# Altium PCB smart-ring-main.PcbDoc (part 5 of 6) (continued)
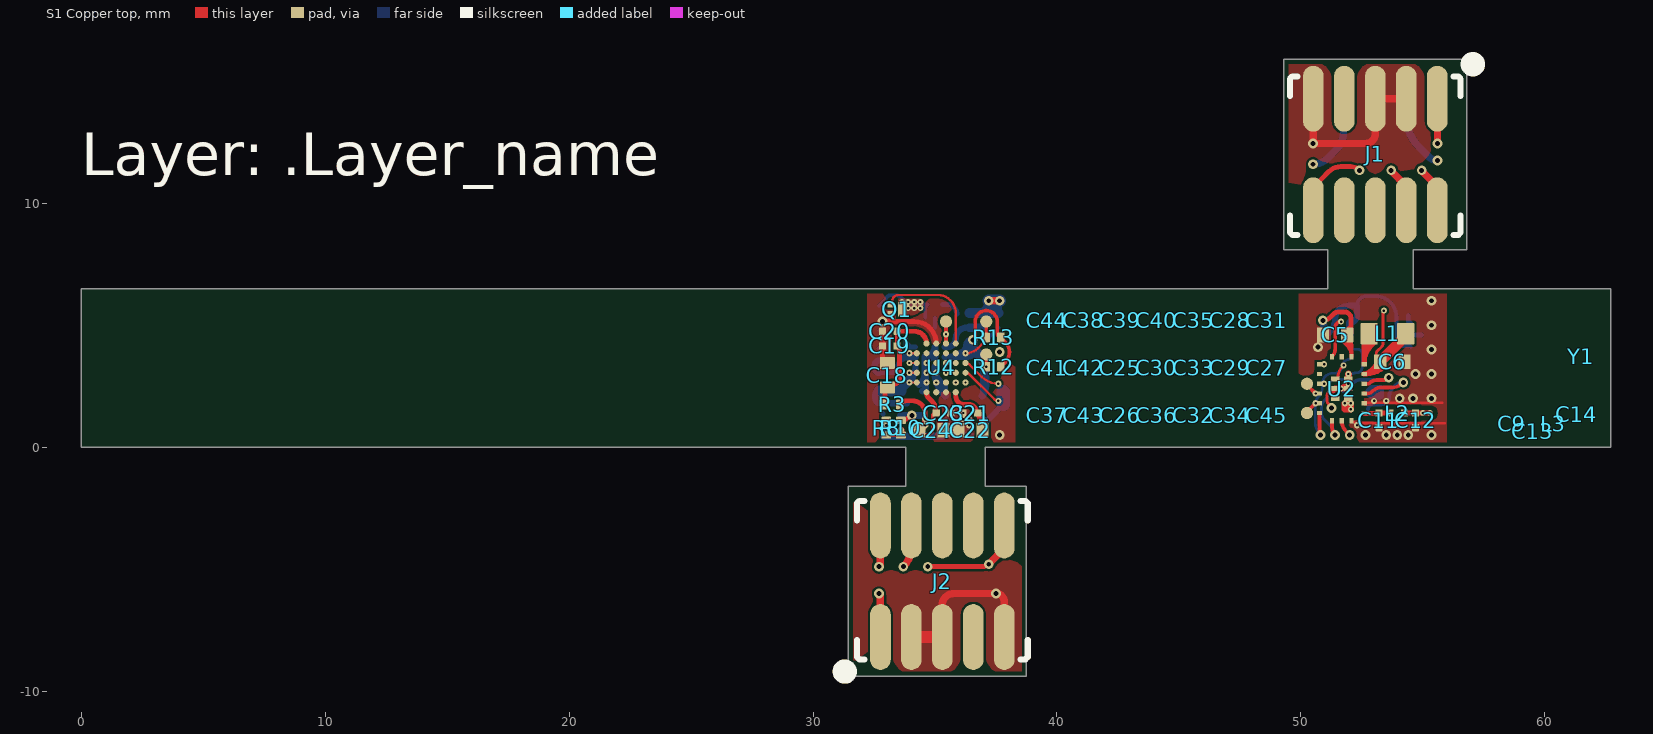
[diagram p0: S1 Copper top view]
## Nets (pads, with @x,y where several pads share a name; then routed paths per layer and width w, separated by ;. In a path a pad name is that pad's centre, name@x,y a point inside that pad or via, vN(x,y) a via of type N, cw(c..) or ccw(c..) an arc to the next point about the centre after c; other vN are vias at no path point) (continued)
  S3 Flex copper inner 1 w0.1: 38.7,1.3 38.9,1.5 ; 38.7,6.1 38.9,5.9 ; 38.756,5.644 38.7,5.7 ; 38.8,5.2 38.7,5.3 ; 39.75,1.45 39.7,1.5 ; 39.8,2.6 39.7,2.7 ; 49.5,1.3 49.3,1.5 ; 49.5,6.1 49.3,5.9 ; 38.7,5.3 38.8,5.2 38.9,5.1 ; 38.7,5.3 38.9,5.5 ; 38.7,5.7 38.9,5.5 ; 38.7,5.7 38.9,5.5 ; 38.7,5.7 38.9,5.9 ; 38.9,1.5 38.7,1.7 38.9,1.9 ; 38.9,1.5 39.1,1.7 ; 38.9,1.5 39.1,1.3 39.3,1.5 ; 38.9,1.9 39.1,1.7 ; 38.9,1.9 38.7,2.1 38.9,2.3 ; 38.9,1.9 39.1,2.1 ; 38.9,2.3 39.1,2.1 ; 38.9,2.3 38.7,2.5 38.9,2.7 ; 38.9,2.3 39.1,2.5 ; 38.9,2.7 39.1,2.5 ; 38.9,2.7 38.7,2.9 38.9,3.1 ; 38.9,2.7 39.1,2.9 ; 38.9,3.1 39.1,2.9 ; 38.9,3.1 38.7,3.3 38.9,3.5 ; 38.9,3.1 39.1,3.3 ; 38.9,3.5 39.1,3.7 ; 38.9,3.5 39.1,3.3 ; 38.9,3.5 38.7,3.7 38.9,3.9 ; 38.9,3.9 39.1,4.1 ; 38.9,3.9 39.1,3.7 ; 38.9,3.9 38.7,4.1 38.9,4.3 ; 38.9,4.3 39.1,4.1 ; 38.9,4.3 39.1,4.5 ; 38.9,4.3 38.7,4.5 38.9,4.7 ; 38.9,4.7 39.1,4.5 ; 38.9,4.7 39.1,4.9 ; 38.9,4.7 38.7,4.9 38.9,5.1 ; 38.9,5.1 39.1,5.3 ; 38.9,5.1 39.1,4.9 ; 38.9,5.5 39.1,5.3 ; 38.9,5.5 39.1,5.7 ; 38.9,5.5 39.1,5.3 ; 38.9,5.9 39.1,6.1 39.3,5.9 ; 38.9,5.9 39.1,5.7 ; 39.1,1.7 39.3,1.9 ; 39.1,1.7 39.3,1.5 ; 39.1,2.1 39.3,1.9 ; 39.1,2.1 39.3,2.3 ; 39.1,2.5 39.3,2.3 ; 39.1,2.5 39.3,2.7 ; 39.1,2.9 39.3,2.7 ; 39.1,2.9 39.3,3.1 ; 39.1,3.3 39.3,3.1 ; 39.1,3.3 39.3,3.5 ; 39.1,3.7 39.3,3.9 ; 39.1,3.7 39.3,3.5 ; 39.1,4.1 39.3,4.3 ; 39.1,4.1 39.3,3.9 ; 39.1,4.5 39.3,4.3 ; 39.1,4.5 39.3,4.7 ; 39.1,4.9 39.3,5.1 ; 39.1,4.9 39.3,4.7 ; 39.1,5.3 39.3,5.1 ; 39.1,5.3 39.3,5.5 ; 39.1,5.3 39.3,5.1 ; 39.1,5.7 39.3,5.5 ; 39.1,5.7 39.3,5.9 ; 39.3,1.5 39.5,1.7 ; 39.3,1.5 39.5,1.3 39.7,1.5 ; 39.3,1.9 39.5,2.1 ; 39.3,1.9 39.5,1.7 ; 39.3,2.3 39.5,2.1 ; 39.3,2.3 39.5,2.5 ; 39.3,2.7 39.5,2.5 ; 39.3,2.7 39.5,2.9 ; 39.3,3.1 39.5,2.9 ; 39.3,3.1 39.5,3.3 ; 39.3,3.5 39.5,3.3 ; 39.3,3.5 39.5,3.7 ; 39.3,3.9 39.5,4.1 ; 39.3,3.9 39.5,3.7 ; 39.3,4.3 39.5,4.1 ; 39.3,4.3 39.5,4.5 ; 39.3,4.7 39.5,4.5 ; 39.3,4.7 39.5,4.9 ; 39.3,5.1 39.5,5.3 ; 39.3,5.1 39.5,4.9 ; 39.3,5.1 39.5,4.9 ; 39.3,5.5 39.5,5.3 ; 39.3,5.5 39.5,5.7 ; 39.3,5.9 39.5,5.7 ; 39.3,5.9 39.5,6.1 39.7,5.9 ; 39.5,1.7 39.7,1.9 ; 39.5,1.7 39.7,1.5 ; 39.5,2.1 39.7,2.3 ; 39.5,2.1 39.7,1.9 ; 39.5,2.5 39.7,2.7 ; 39.5,2.5 39.7,2.3 ; 39.5,2.9 39.7,2.7 ; 39.5,2.9 39.7,3.1 ; 39.5,3.3 39.7,3.1 ; 39.5,3.3 39.7,3.5 ; 39.5,3.7 39.7,3.5 ; 39.5,3.7 39.7,3.9 ; 39.5,4.1 39.7,4.3 ; 39.5,4.1 39.7,3.9 ; 39.5,4.5 39.7,4.3 ; 39.5,4.5 39.7,4.7 ; 39.5,4.9 39.7,5.1 ; 39.5,4.9 39.7,4.7 ; 39.5,5.3 39.7,5.5 ; 39.5,5.3 39.7,5.1 ; 39.5,5.7 39.7,5.5 ; 39.5,5.7 39.7,5.9 ; 39.7,1.5 39.9,1.3 40.1,1.5 ; 39.7,1.5 39.9,1.7 ; 39.7,1.9 39.9,2.1 ; 39.7,1.9 39.9,1.7 ; 39.7,2.3 39.9,2.5 ; 39.7,2.3 39.9,2.1 ; 39.7,2.7 39.9,2.5 ; 39.7,2.7 39.9,2.9 ; 39.7,3.1 39.9,3.3 ; 39.7,3.1 39.9,2.9 ; 39.7,3.5 39.9,3.3 ; 39.7,3.5 39.9,3.7 ; 39.7,3.9 39.9,3.7 ; 39.7,3.9 39.9,4.1 ; 39.7,4.3 39.9,4.5 39.7,4.7 ; 39.7,4.3 39.9,4.1 ; 39.7,4.7 39.9,4.9 ; 39.7,5.1 39.9,5.3 ; 39.7,5.1 39.9,4.9 ; 39.7,5.5 39.9,5.7 ; 39.7,5.5 39.9,5.3 ; 39.7,5.9 39.9,5.7 ; 39.7,5.9 39.9,6.1 40.1,5.9 ; 39.9,1.7 40.1,1.9 ; 39.9,1.7 40.1,1.5 ; 39.9,2.1 40.1,2.3 ; 39.9,2.1 40.1,1.9 ; 39.9,2.5 40.1,2.7 ; 39.9,2.5 40.1,2.3 ; 39.9,2.9 40.1,3.1 ; 39.9,2.9 40.1,2.7 ; 39.9,3.3 40.1,3.1 ; 39.9,3.7 40.1,3.9 ; 39.9,4.1 40.1,3.9 ; 39.9,4.9 40.1,5.1 ; 39.9,5.3 40.1,5.1 ; 39.9,5.3 40.1,5.5 ; 39.9,5.7 40.1,5.9 ; 39.9,5.7 40.1,5.5 ; 40.1,1.5 v1@40.3,1.7 ; 40.1,1.5 40.3,1.3 40.5,1.5 ; 40.1,1.9 v1@40.3,2.1 ; 40.1,1.9 40.225,1.775 v1@40.3,1.7 ; 40.1,2.3 v1@40.3,2.5 ; 40.1,2.3 v1@40.3,2.1 ; 40.1,2.7 v1@40.3,2.5 ; 40.1,2.7 40.3,2.9 ; 40.1,3.1 40.3,2.9 ; 40.1,3.9 40.3,4.1 ; 40.1,5.1 40.3,5.3 ; 40.1,5.1 40.3,4.9 40.5,5.1 ; 40.1,5.5 40.3,5.3 ; 40.1,5.5 v1@40.3,5.7 ; 40.1,5.9 40.3,6.1 40.475,5.925 v1@40.5,5.9 ; 40.1,5.9 40.275,5.725 v1@40.3,5.7 ; v1@40.3,1.7 v1@40.5,1.9 ; v1@40.3,1.7 40.5,1.5 ; v1@40.3,2.1 40.425,1.975 v1@40.5,1.9 ; v1@40.3,2.1 40.5,2.3 ; v1@40.3,2.5 40.5,2.7 ; v1@40.3,2.5 40.5,2.3 ; 40.3,2.9 40.5,2.7 ; 40.3,4.1 40.5,3.9 ; 40.3,4.1 40.5,3.9 ; 40.3,5.3 40.5,5.1 ; 40.3,5.3 40.5,5.5 ; v1@40.3,5.7 v1@40.5,5.9 ; v1@40.3,5.7 40.5,5.5 ; 40.5,1.5 40.7,1.7 ; 40.5,1.5 40.7,1.3 40.9,1.5 ; v1@40.5,1.9 40.7,2.1 ; v1@40.5,1.9 40.7,1.7 ; 40.5,2.3 40.7,2.5 ; 40.5,2.3 40.7,2.1 ; 40.5,2.7 40.7,2.5 ; 40.5,3.9 40.7,4.1 ; 40.5,5.1 40.7,5.3 ; 40.5,5.1 40.7,4.9 ; 40.5,5.5 40.7,5.3 ; 40.5,5.5 40.7,5.7 ; v1@40.5,5.9 40.7,5.7 ; v1@40.5,5.9 40.7,6.1 40.9,5.9 ; 40.7,1.7 40.9,1.9 ; 40.7,1.7 40.9,1.5 ; 40.7,2.1 40.9,2.3 ; 40.7,2.1 40.9,1.9 ; 40.7,2.5 40.9,2.7 ; 40.7,2.5 40.9,2.3 ; 40.7,4.1 40.9,4.3 ; 40.7,4.1 40.9,3.9 ; 40.7,4.9 40.9,4.7 ; 40.7,4.9 40.9,5.1 ; 40.7,5.3 40.9,5.5 ; 40.7,5.3 40.9,5.1 ; 40.7,5.7 40.9,5.5 ; 40.7,5.7 40.9,5.9 ; 40.9,1.5 41.1,1.7 ; 40.9,1.5 41.1,1.3 41.3,1.5 ; 40.9,1.9 41.1,2.1 ; 40.9,1.9 41.1,1.7 ; 40.9,2.3 41.1,2.5 ; 40.9,2.3 41.1,2.1 ; 40.9,2.7 41.1,2.9 ; 40.9,2.7 41.1,2.5 ; 40.9,3.9 41.1,4.1 ; 40.9,3.9 41.1,3.7 ; 40.9,4.3 41.1,4.1 ; 40.9,4.3 41.1,4.5 ; 40.9,4.7 41.1,4.5 ; 40.9,4.7 41.1,4.9 ; 40.9,5.1 41.1,5.3 ; 40.9,5.1 41.1,4.9 ; 40.9,5.5 41.1,5.7 ; 40.9,5.5 41.1,5.3 ; 40.9,5.9 41.1,5.7 ; 40.9,5.9 41.1,6.1 41.3,5.9 ; 41.1,1.7 41.3,1.9 ; 41.1,1.7 41.3,1.5 ; 41.1,2.1 41.3,2.3 ; 41.1,2.1 41.3,1.9 ; 41.1,2.5 41.3,2.7 ; 41.1,2.5 41.3,2.3 ; 41.1,2.9 41.3,3.1 ; 41.1,2.9 41.3,2.7 ; 41.1,3.7 41.5,3.3 ; 41.1,3.7 41.3,3.9 41.1,4.1 ; 41.1,4.1 41.3,4.3 41.1,4.5 ; 41.1,4.5 41.3,4.7 ; 41.1,4.9 41.3,4.7 ; 41.1,4.9 41.3,5.1 ; 41.1,5.3 41.3,5.1 ; 41.1,5.3 41.3,5.5 ; 41.1,5.7 41.3,5.9 ; 41.1,5.7 41.3,5.5 ; 41.3,1.5 41.5,1.7 ; 41.3,1.5 41.5,1.3 41.7,1.5 ; 41.3,1.9 41.5,2.1 ; 41.3,1.9 41.5,1.7 ; 41.3,2.3 41.5,2.5 ; 41.3,2.3 41.5,2.1 ; 41.3,2.7 41.5,2.5 ; 41.3,2.7 41.5,2.9 ; 41.3,3.1 41.5,3.3 ; 41.3,3.1 41.5,2.9 ; 41.3,3.1 41.5,2.9 ; 41.3,4.7 41.5,4.9 ; 41.3,5.1 41.5,5.3 ; 41.3,5.1 41.5,4.9 ; 41.3,5.5 41.5,5.3 ; 41.3,5.5 41.5,5.7 ; 41.3,5.9 41.5,6.1 v1@41.7,5.9 ; 41.3,5.9 41.5,5.7 ; 41.5,1.7 v1@41.7,1.9 ; 41.5,1.7 41.7,1.5 ; 41.5,2.1 41.7,2.3 ; 41.5,2.1 v1@41.7,1.9 ; 41.5,2.5 41.7,2.7 ; 41.5,2.5 41.7,2.3 ; 41.5,2.9 41.7,3.1 ; 41.5,2.9 41.7,2.7 ; 41.5,2.9 41.7,2.7 ; 41.5,3.3 41.7,3.5 41.9,3.3 ; 41.5,3.3 41.7,3.1 ; 41.5,4.9 41.7,5.1 ; 41.5,5.3 41.7,5.1 ; 41.5,5.3 41.7,5.5 ; 41.5,5.7 41.7,5.5 ; 41.5,5.7 v1@41.7,5.9 ; 41.7,1.5 v1@41.9,1.7 ; 41.7,1.5 41.9,1.3 42.1,1.5 ; v1@41.7,1.9 v1@41.9,2.1 ; v1@41.7,1.9 v1@41.9,1.7 ; 41.7,2.3 v1@41.9,2.5 ; 41.7,2.3 v1@41.9,2.1 ; 41.7,2.7 v1@41.9,2.5 ; 41.7,2.7 v1@41.9,2.5 ; 41.7,2.7 41.9,2.9 ; 41.7,3.1 41.9,3.3 ; 41.7,3.1 41.9,2.9 ; 41.7,5.1 41.9,5.3 ; 41.7,5.1 41.9,4.9 42.1,5.1 ; 41.7,5.5 41.9,5.3 ; 41.7,5.5 v1@41.9,5.7 ; v1@41.7,5.9 41.9,6.1 42.1,5.9 ; v1@41.7,5.9 v1@41.9,5.7 ; v1@41.9,1.7 42.1,1.9 ; v1@41.9,1.7 42.1,1.5 ; v1@41.9,2.1 42.1,1.9 ; v1@41.9,2.1 42.1,2.3 ; v1@41.9,2.5 42.1,2.3 ; v1@41.9,2.5 42.1,2.3 ; v1@41.9,2.5 42.1,2.7 ; 41.9,2.9 42.1,3.1 ; 41.9,2.9 42.1,2.7 ; 41.9,3.3 42.1,3.5 ; 41.9,3.3 42.1,3.1 ; 41.9,5.3 42.1,5.1 ; 41.9,5.3 42.1,5.5 ; v1@41.9,5.7 42.1,5.9 ; v1@41.9,5.7 42.1,5.5 ; 42.1,1.5 42.3,1.7 ; 42.1,1.5 42.3,1.3 42.5,1.5 ; 42.1,1.9 42.3,1.7 ; 42.1,1.9 42.3,2.1 ; 42.1,2.3 42.3,2.5 ; 42.1,2.3 42.3,2.1 ; 42.1,2.7 42.3,2.5 ; 42.1,2.7 42.3,2.9 ; 42.1,3.1 42.3,3.3 ; 42.1,3.1 42.3,2.9 ; 42.1,3.5 42.3,3.3 ; 42.1,3.5 42.3,3.7 ; 42.1,5.1 42.3,5.3 ; 42.1,5.1 42.3,4.9 ; 42.1,5.5 42.3,5.3 ; 42.1,5.5 42.3,5.7 ; 42.1,5.9 42.3,5.7 ; 42.1,5.9 42.3,6.1 42.5,5.9 ; 42.3,1.7 42.5,1.9 ; 42.3,1.7 42.5,1.5 ; 42.3,2.1 42.5,2.3 ; 42.3,2.1 42.5,1.9 ; 42.3,2.5 42.5,2.3 ; 42.3,2.5 42.5,2.7 ; 42.3,2.9 42.5,3.1 ; 42.3,2.9 42.5,2.7 ; 42.3,3.3 42.5,3.1 ; 42.3,3.3 42.5,3.5 ; 42.3,3.7 42.5,3.5 ; 42.3,3.7 42.5,3.9 ; 42.3,4.9 42.5,4.7 ; 42.3,4.9 42.5,5.1 ; 42.3,5.3 42.5,5.5 ; 42.3,5.3 42.5,5.1 ; 42.3,5.7 42.5,5.5 ; 42.3,5.7 42.5,5.9 ; 42.5,1.5 42.7,1.7 ; 42.5,1.5 42.7,1.3 42.9,1.5 ; 42.5,1.9 42.7,1.7 ; 42.5,1.9 42.7,2.1 ; 42.5,1.9 42.7,1.7 ; 42.5,2.3 42.7,2.1 ; 42.5,2.3 42.7,2.5 ; 42.5,2.7 42.7,2.5 ; 42.5,2.7 42.7,2.9 ; 42.5,3.1 42.7,3.3 ; 42.5,3.1 42.7,2.9 ; 42.5,3.5 42.7,3.3 ; 42.5,3.5 42.7,3.7 ; 42.5,3.9 42.7,4.1 ; 42.5,3.9 42.7,3.7 ; 42.5,3.9 42.3,4.1 42.5,4.3 ; 42.5,4.3 42.7,4.5 ; 42.5,4.3 42.7,4.1 ; 42.5,4.3 42.3,4.5 42.5,4.7 ; 42.5,4.7 42.7,4.5 ; 42.5,4.7 42.7,4.9 ; 42.5,5.1 42.7,5.3 ; 42.5,5.1 42.7,4.9 ; 42.5,5.5 42.7,5.7 ; 42.5,5.5 42.7,5.3 ; 42.5,5.9 42.7,5.7 ; 42.5,5.9 42.7,6.1 42.9,5.9 ; 42.7,1.7 42.9,1.5 ; 42.7,1.7 42.9,1.9 ; 42.7,1.7 42.9,1.5 ; 42.7,2.1 42.9,1.9 ; 42.7,2.1 42.9,2.3 ; 42.7,2.5 42.9,2.7 ; 42.7,2.5 42.9,2.3 ; 42.7,2.9 42.9,3.1 ; 42.7,2.9 42.9,2.7 ; 42.7,3.3 42.9,3.1 ; 42.7,3.3 42.9,3.5 ; 42.7,3.7 42.9,3.9 42.7,4.1 ; 42.7,3.7 42.9,3.5 ; 42.7,4.1 42.9,4.3 42.7,4.5 ; 42.7,4.5 42.9,4.7 ; 42.7,4.9 42.9,4.7 ; 42.7,4.9 42.9,5.1 ; 42.7,5.3 42.9,5.1 ; 42.7,5.3 42.9,5.5 ; 42.7,5.7 42.9,5.9 ; 42.7,5.7 42.9,5.5 ; 42.9,1.5 43.1,1.7 ; 42.9,1.5 43.1,1.3 ; 42.9,1.5 43.1,1.3 ; 42.9,1.9 43.1,2.1 ; 42.9,1.9 43.1,1.7 ; 42.9,2.3 43.1,2.5 ; 42.9,2.3 43.1,2.1 ; 42.9,2.7 43.1,2.5 ; 42.9,2.7 43.1,2.9 ; 42.9,3.1 43.1,3.3 ; 42.9,3.1 43.1,2.9 ; 42.9,3.5 43.1,3.3 ; 42.9,4.7 43.1,4.9 ; 42.9,5.1 43.1,5.3 ; 42.9,5.1 43.1,4.9 ; 42.9,5.5 43.1,5.3 ; 42.9,5.5 43.1,5.7 ; 42.9,5.9 43.1,6.1 v1@43.3,5.9 ; 42.9,5.9 43.1,5.7 ; 43.1,1.3 43.3,1.5 ; 43.1,1.7 v1@43.3,1.9 ; 43.1,1.7 43.3,1.5 ; 43.1,2.1 v1@43.3,2.3 ; 43.1,2.1 v1@43.3,1.9 ; 43.1,2.5 v1@43.3,2.7 ; 43.1,2.5 43.225,2.375 v1@43.3,2.3 ; 43.1,2.9 43.3,3.1 ; 43.1,2.9 v1@43.3,2.7 ; 43.1,3.3 43.3,3.5 43.5,3.3 ; 43.1,3.3 43.3,3.1 ; 43.1,4.9 43.3,5.1 ; 43.1,5.3 43.3,5.1 ; 43.1,5.3 43.3,5.5 ; 43.1,5.7 v1@43.3,5.9 ; 43.1,5.7 43.3,5.5 ; 43.3,1.5 43.5,1.7 ; 43.3,1.5 43.5,1.3 43.7,1.5 ; v1@43.3,1.9 43.5,2.1 ; v1@43.3,1.9 43.5,1.7 ; v1@43.3,2.3 v1@43.5,2.5 ; v1@43.3,2.3 43.5,2.1 ; v1@43.3,2.7 43.425,2.575 v1@43.5,2.5 ; v1@43.3,2.7 43.5,2.9 ; 43.3,3.1 43.5,3.3 ; 43.3,3.1 43.5,2.9 ; 43.3,5.1 43.5,5.3 ; 43.3,5.1 43.5,4.9 43.7,5.1 ; 43.3,5.5 v1@43.5,5.7 ; 43.3,5.5 43.5,5.3 ; v1@43.3,5.9 v1@43.5,5.7 ; v1@43.3,5.9 43.5,6.1 43.7,5.9 ; 43.5,1.7 43.7,1.9 ; 43.5,1.7 43.7,1.5 ; 43.5,2.1 43.7,1.9 ; 43.5,2.1 43.7,2.3 ; v1@43.5,2.5 43.7,2.3 ; v1@43.5,2.5 43.7,2.7 ; 43.5,2.9 43.7,3.1 ; 43.5,2.9 43.7,2.7 ; 43.5,3.3 43.7,3.1 ; 43.5,3.3 43.7,3.5 ; 43.5,5.3 43.7,5.5 ; 43.5,5.3 43.7,5.1 ; v1@43.5,5.7 43.7,5.5 ; v1@43.5,5.7 43.7,5.9 ; 43.7,1.5 43.9,1.7 ; 43.7,1.5 43.9,1.3 44.1,1.5 ; 43.7,1.9 43.9,2.1 ; 43.7,1.9 43.9,1.7 ; 43.7,2.3 43.9,2.5 ; 43.7,2.3 43.9,2.1 ; 43.7,2.7 43.9,2.5 ; 43.7,2.7 43.9,2.9 ; 43.7,3.1 43.9,3.3 ; 43.7,3.1 43.9,2.9 ; 43.7,3.5 43.9,3.3 ; 43.7,3.5 43.9,3.7 ; 43.7,5.1 43.9,5.3 ; 43.7,5.1 43.9,4.9 ; 43.7,5.5 43.9,5.7 ; 43.7,5.5 43.9,5.3 ; 43.7,5.9 43.9,5.7 ; 43.7,5.9 43.9,6.1 44.1,5.9 ; 43.9,1.7 44.1,1.9 ; 43.9,1.7 44.1,1.5 ; 43.9,2.1 44.1,2.3 ; 43.9,2.1 44.1,1.9 ; 43.9,2.5 44.1,2.7 ; 43.9,2.5 44.1,2.3 ; 43.9,2.9 44.1,3.1 ; 43.9,2.9 44.1,2.7 ; 43.9,3.3 44.1,3.1 ; 43.9,3.3 44.1,3.5 ; 43.9,3.7 44.1,3.9 ; 43.9,3.7 44.1,3.5 ; 43.9,4.9 44.1,4.7 ; 43.9,4.9 44.1,5.1 ; 43.9,5.3 44.1,5.5 ; 43.9,5.3 44.1,5.1 ; 43.9,5.7 44.1,5.9 ; 43.9,5.7 44.1,5.5 ; 44.1,1.5 44.3,1.7 ; 44.1,1.5 44.3,1.3 44.5,1.5 ; 44.1,1.9 44.3,2.1 ; 44.1,1.9 44.3,1.7 ; 44.1,2.3 44.3,2.5 ; 44.1,2.3 44.3,2.1 ; 44.1,2.7 44.3,2.5 ; 44.1,2.7 44.3,2.9 ; 44.1,3.1 44.3,3.3 ; 44.1,3.1 44.3,2.9 ; 44.1,3.5 44.3,3.7 ; 44.1,3.5 44.3,3.3 ; 44.1,3.9 44.3,4.1 44.1,4.3 ; 44.1,3.9 44.3,3.7 ; 44.1,3.9 43.9,4.1 44.1,4.3 ; 44.1,4.3 44.3,4.5 44.1,4.7 ; 44.1,4.3 43.9,4.5 44.1,4.7 ; 44.1,4.7 44.3,4.9 ; 44.1,5.1 44.3,5.3 ; 44.1,5.1 44.3,4.9 ; 44.1,5.5 44.3,5.3 ; 44.1,5.5 44.3,5.7 ; 44.1,5.9 44.3,6.1 44.5,5.9 ; 44.1,5.9 44.3,5.7 ; 44.3,1.7 44.5,1.9 ; 44.3,1.7 44.5,1.5 ; 44.3,2.1 44.5,1.9 ; 44.3,2.1 44.5,2.3 ; 44.3,2.5 44.5,2.7 ; 44.3,2.5 44.5,2.3 ; 44.3,2.9 44.5,3.1 ; 44.3,2.9 44.5,2.7 ; 44.3,3.3 44.5,3.1 ; 44.3,3.3 44.5,3.5 ; 44.3,3.7 44.5,3.5 ; 44.3,4.9 44.5,5.1 ; 44.3,5.3 44.5,5.5 ; 44.3,5.3 44.5,5.1 ; 44.3,5.7 44.5,5.5 ; 44.3,5.7 44.5,5.9 ; 44.5,1.5 44.7,1.7 ; 44.5,1.5 44.7,1.3 44.9,1.5 ; 44.5,1.9 44.7,2.1 ; 44.5,1.9 44.7,1.7 ; 44.5,2.3 v1@44.7,2.5 ; 44.5,2.3 44.7,2.1 ; 44.5,2.7 v1@44.7,2.5 ; 44.5,2.7 44.7,2.9 ; 44.5,3.1 44.7,3.3 ; 44.5,3.1 44.7,2.9 ; 44.5,3.5 44.7,3.3 ; 44.5,5.1 44.7,5.3 ; 44.5,5.1 44.7,4.9 44.9,5.1 ; 44.5,5.5 v1@44.7,5.7 ; 44.5,5.5 44.7,5.3 ; 44.5,5.9 v1@44.7,5.7 ; 44.5,5.9 44.7,6.1 v1@44.9,5.9 ; 44.7,1.7 v1@44.9,1.9 ; 44.7,1.7 44.9,1.5 ; 44.7,2.1 v1@44.9,1.9 ; 44.7,2.1 v1@44.9,2.3 ; v1@44.7,2.5 v1@44.9,2.7 ; v1@44.7,2.5 v1@44.9,2.3 ; 44.7,2.9 44.9,3.1 ; 44.7,2.9 v1@44.9,2.7 ; 44.7,3.3 44.9,3.1 ; 44.7,3.3 44.9,3.5 45.1,3.3 ; 44.7,5.3 44.9,5.5 ; 44.7,5.3 44.9,5.1 ; v1@44.7,5.7 v1@44.9,5.9 ; v1@44.7,5.7 44.9,5.5 ; 44.9,1.5 45.1,1.7 ; 44.9,1.5 45.1,1.3 45.3,1.5 ; v1@44.9,1.9 45.1,2.1 ; v1@44.9,1.9 45.1,1.7 ; v1@44.9,2.3 45.1,2.5 ; v1@44.9,2.3 45.1,2.1 ; v1@44.9,2.7 45.1,2.5 ; v1@44.9,2.7 45.1,2.9 ; 44.9,3.1 45.1,3.3 ; 44.9,3.1 45.1,2.9 ; 44.9,5.1 45.1,5.3 ; 44.9,5.1 45.1,4.9 ; 44.9,5.5 45.1,5.7 ; 44.9,5.5 45.1,5.3 ; v1@44.9,5.9 45.1,5.7 ; v1@44.9,5.9 45.1,6.1 45.3,5.9 ; 45.1,1.7 45.3,1.9 ; 45.1,1.7 45.3,1.5 ; 45.1,2.1 45.3,2.3 ; 45.1,2.1 45.3,1.9 ; 45.1,2.5 45.3,2.7 ; 45.1,2.5 45.3,2.3 ; 45.1,2.9 45.3,2.7 ; 45.1,2.9 45.3,3.1 ; 45.1,3.3 45.3,3.1 ; 45.1,3.3 45.3,3.5 ; 45.1,4.9 45.3,4.7 ; 45.1,4.9 45.3,5.1 ; 45.1,5.3 45.3,5.5 ; 45.1,5.3 45.3,5.1 ; 45.1,5.7 45.3,5.9 ; 45.1,5.7 45.3,5.5 ; 45.3,1.5 45.5,1.7 ; 45.3,1.5 45.5,1.3 45.7,1.5 ; 45.3,1.9 45.5,2.1 ; 45.3,1.9 45.5,1.7 ; 45.3,2.3 45.5,2.5 ; 45.3,2.3 45.5,2.1 ; 45.3,2.7 45.5,2.5 ; 45.3,2.7 45.5,2.9 ; 45.3,3.1 45.5,2.9 ; 45.3,3.1 45.5,3.3 ; 45.3,3.5 45.5,3.3 ; 45.3,3.5 45.5,3.7 ; 45.3,4.7 45.5,4.5 ; 45.3,4.7 45.5,4.9 ; 45.3,5.1 45.5,5.3 ; 45.3,5.1 45.5,4.9 ; 45.3,5.5 45.5,5.3 ; 45.3,5.5 45.5,5.7 ; 45.3,5.9 45.5,6.1 45.7,5.9 ; 45.3,5.9 45.5,5.7 ; 45.5,2.1 45.7,2.3 ; 45.5,2.1 45.7,1.9 ; 45.5,2.5 45.7,2.7 ; 45.5,2.5 45.7,2.3 ; 45.5,2.9 45.7,2.7 ; 45.5,2.9 45.7,3.1 ; 45.5,3.3 45.7,3.1 ; 45.5,3.3 45.7,3.5 ; 45.5,3.7 45.7,3.9 ; 45.5,3.7 45.7,3.5 ; 45.5,3.7 45.3,3.9 45.5,4.1 ; 45.5,4.1 45.7,4.3 ; 45.5,4.1 45.7,3.9 ; 45.5,4.1 45.3,4.3 45.5,4.5 ; 45.5,4.5 45.7,4.7 ; 45.5,4.5 45.7,4.3 ; 45.5,4.9 45.7,5.1 ; 45.5,4.9 45.7,4.7 ; 45.5,5.3 45.7,5.5 ; 45.5,5.3 45.7,5.1 ; 45.5,5.7 45.7,5.5 ; 45.5,5.7 45.7,5.9 ; 45.5,1.7 45.7,1.9 ; 45.5,1.7 45.7,1.5 ; 45.7,1.5 45.9,1.3 46.1,1.5 ; 45.7,1.5 45.9,1.7 ; 45.7,1.9 45.9,2.1 ; 45.7,1.9 45.9,1.7 ; 45.7,2.3 45.9,2.1 ; 45.7,2.3 45.9,2.5 ; 45.7,2.7 45.9,2.9 ; 45.7,2.7 45.9,2.5 ; 45.7,3.1 45.9,2.9 ; 45.7,3.1 45.9,3.3 ; 45.7,3.5 45.9,3.3 ; 45.7,3.5 45.9,3.7 ; 45.7,3.9 45.9,4.1 45.7,4.3 ; 45.7,3.9 45.9,3.7 ; 45.7,4.3 45.9,4.5 45.7,4.7 ; 45.7,4.7 45.9,4.9 ; 45.7,5.1 45.9,5.3 ; 45.7,5.1 45.9,4.9 ; 45.7,5.5 45.9,5.7 ; 45.7,5.5 45.9,5.3 ; 45.7,5.9 45.9,5.7 ; 45.7,5.9 45.9,6.1 46.1,5.9 ; 45.9,2.5 46.1,2.3 ; 45.9,2.5 46.1,2.7 ; 45.9,2.9 46.1,3.1 ; 45.9,2.9 46.1,2.7 ; 45.9,3.3 46.1,3.1 ; 45.9,3.3 46.1,3.5 ; 45.9,3.7 46.1,3.5 ; 45.9,4.9 46.1,5.1 ; 45.9,5.3 46.1,5.5 ; 45.9,5.3 46.1,5.1 ; 45.9,5.7 46.1,5.5 ; 45.9,5.7 46.1,5.9 ; 45.9,1.7 46.1,1.9 ; 45.9,1.7 46.1,1.5 ; 45.9,2.1 46.1,1.9 ; 45.9,2.1 46.1,2.3 ; 46.1,1.5 v1@46.3,1.7 ; 46.1,1.5 46.3,1.3 46.5,1.5 ; 46.1,1.9 v1@46.3,1.7 ; 46.1,1.9 v1@46.3,2.1 ; 46.1,2.3 v1@46.3,2.1 ; 46.1,2.3 v1@46.3,2.5 ; 46.1,2.7 v1@46.3,2.5 ; 46.1,2.7 46.3,2.9 ; 46.1,3.1 46.3,3.3 ; 46.1,3.1 46.3,2.9 ; 46.1,3.5 46.3,3.3 ; 46.1,5.1 46.3,5.3 ; 46.1,5.1 46.3,4.9 46.5,5.1 ; 46.1,5.5 v1@46.3,5.7 ; 46.1,5.5 46.3,5.3 ; 46.1,5.9 v1@46.3,5.7 ; 46.1,5.9 46.3,6.1 v1@46.5,5.9 ; v1@46.3,1.7 v1@46.5,1.9 ; v1@46.3,1.7 46.5,1.5 ; v1@46.3,2.1 v1@46.5,1.9 ; v1@46.3,2.1 46.5,2.3 ; v1@46.3,2.5 46.5,2.7 ; v1@46.3,2.5 46.325,2.475 46.5,2.3 ; 46.3,2.9 46.5,3.1 ; 46.3,2.9 46.5,2.7 ; 46.3,3.3 46.5,3.1 ; 46.3,3.3 46.5,3.5 46.7,3.3 ; 46.3,5.3 46.5,5.5 ; 46.3,5.3 46.5,5.1 ; v1@46.3,5.7 v1@46.5,5.9 ; v1@46.3,5.7 46.5,5.5 ; 46.5,1.5 46.7,1.3 46.9,1.5 ; 46.5,1.5 46.7,1.7 ; v1@46.5,1.9 46.7,2.1 ; v1@46.5,1.9 46.7,1.7 ; 46.5,2.3 46.7,2.5 ; 46.5,2.3 46.7,2.1 ; 46.5,2.7 46.525,2.675 46.7,2.5 ; 46.5,2.7 46.7,2.9 ; 46.5,3.1 46.7,3.3 ; 46.5,3.1 46.7,2.9 ; 46.5,5.1 46.7,5.3 ; 46.5,5.1 46.7,4.9 ; 46.5,5.5 46.7,5.7 ; 46.5,5.5 46.7,5.3 ; v1@46.5,5.9 46.7,5.7 ; v1@46.5,5.9 46.7,6.1 46.9,5.9 ; 46.7,1.7 46.9,1.5 ; 46.7,1.7 46.9,1.9 ; 46.7,2.1 46.9,2.3 ; 46.7,2.1 46.9,1.9 ; 46.7,2.5 46.9,2.7 ; 46.7,2.5 46.9,2.3 ; 46.7,2.9 46.9,3.1 ; 46.7,2.9 46.9,2.7 ; 46.7,3.3 46.9,3.5 ; 46.7,3.3 46.9,3.1 ; 46.7,4.9 46.9,5.1 ; 46.7,4.9 46.9,4.7 ; 46.7,5.3 46.9,5.1 ; 46.7,5.3 46.9,5.5 ; 46.7,5.7 46.9,5.9 ; 46.7,5.7 46.9,5.5 ; 46.9,1.5 47.1,1.3 47.3,1.5 ; 46.9,1.5 47.1,1.7 ; 46.9,1.9 47.1,1.7 ; 46.9,1.9 47.1,2.1 ; 46.9,2.3 47.1,2.5 ; 46.9,2.3 47.1,2.1 ; 46.9,2.7 47.1,2.5 ; 46.9,2.7 47.1,2.9 ; 46.9,3.1 47.1,3.3 ; 46.9,3.1 47.1,2.9 ; 46.9,3.5 47.1,3.7 ; 46.9,3.5 47.1,3.3 ; 46.9,4.7 47.1,4.9 ; 46.9,4.7 47.1,4.5 ; 46.9,5.1 47.1,5.3 ; 46.9,5.1 47.1,4.9 ; 46.9,5.5 47.1,5.3 ; 46.9,5.5 47.1,5.7 ; 46.9,5.9 47.1,5.7 ; 46.9,5.9 47.1,6.1 47.3,5.9 ; 47.1,1.7 47.3,1.5 ; 47.1,1.7 47.3,1.9 ; 47.1,2.1 47.3,2.3 ; 47.1,2.1 47.3,1.9 ; 47.1,2.5 47.3,2.3 ; 47.1,2.5 47.3,2.7 ; 47.1,2.9 47.3,2.7 ; 47.1,2.9 47.3,3.1 ; 47.1,3.3 47.3,3.5 ; 47.1,3.3 47.3,3.1 ; 47.1,3.7 47.3,3.9 47.1,4.1 ; 47.1,3.7 47.3,3.5 ; 47.1,3.7 46.9,3.9 47.1,4.1 ; 47.1,4.1 47.3,4.3 47.1,4.5 ; 47.1,4.1 46.9,4.3 47.1,4.5 ; 47.1,4.5 47.3,4.7 ; 47.1,4.9 47.3,5.1 ; 47.1,4.9 47.3,4.7 ; 47.1,5.3 47.3,5.5 ; 47.1,5.3 47.3,5.1 ; 47.1,5.7 47.3,5.5 ; 47.1,5.7 47.3,5.9 ; 47.3,1.5 47.5,1.3 47.7,1.5 ; 47.3,1.5 47.5,1.7 ; 47.3,1.9 47.5,2.1 ; 47.3,1.9 47.5,1.7 ; 47.3,2.3 47.5,2.5 ; 47.3,2.3 47.5,2.1 ; 47.3,2.7 47.5,2.5 ; 47.3,2.7 47.5,2.9 ; 47.3,3.1 47.5,3.3 ; 47.3,3.1 47.5,2.9 ; 47.3,3.5 47.5,3.3 ; 47.3,4.7 47.5,4.9 ; 47.3,5.1 47.5,5.3 ; 47.3,5.1 47.5,4.9 ; 47.3,5.5 47.5,5.7 ; 47.3,5.5 47.5,5.3 ; 47.3,5.9 47.5,6.1 v1@47.7,5.9 ; 47.3,5.9 47.5,5.7 ; 47.5,1.7 v1@47.7,1.9 ; 47.5,1.7 47.7,1.5 ; 47.5,2.1 v1@47.7,1.9 ; 47.5,2.1 47.7,2.3 ; 47.5,2.5 47.7,2.7 ; 47.5,2.5 47.7,2.3 ; 47.5,2.9 47.7,3.1 ; 47.5,2.9 47.7,2.7 ; 47.5,3.3 47.7,3.5 47.9,3.3 ; 47.5,3.3 47.7,3.1 ; 47.5,4.9 47.7,5.1 ; 47.5,5.3 47.7,5.5 ; 47.5,5.3 47.7,5.1 ; 47.5,5.7 v1@47.7,5.9 ; 47.5,5.7 47.7,5.5 ; 47.7,1.5 v1@47.9,1.7 ; 47.7,1.5 47.9,1.3 48.1,1.5 ; v1@47.7,1.9 v1@47.9,2.1 ; v1@47.7,1.9 47.775,1.825 v1@47.9,1.7 ; 47.7,2.3 v1@47.9,2.5 ; 47.7,2.3 v1@47.9,2.1 ; 47.7,2.7 v1@47.9,2.5 ; 47.7,2.7 47.9,2.9 ; 47.7,3.1 47.9,3.3 ; 47.7,3.1 47.9,2.9 ; 47.7,5.1 47.9,5.3 ; 47.7,5.1 47.9,4.9 48.1,5.1 ; 47.7,5.5 v1@47.9,5.7 ; 47.7,5.5 47.9,5.3 ; v1@47.7,5.9 47.9,6.1 48.025,5.975 48.1,5.9 ; v1@47.7,5.9 47.825,5.775 v1@47.9,5.7 ; v1@47.9,1.7 48.1,1.9 ; v1@47.9,1.7 48.1,1.5 ; v1@47.9,2.1 47.975,2.025 48.1,1.9 ; v1@47.9,2.1 48.1,2.3 ; v1@47.9,2.5 48.1,2.3 ; v1@47.9,2.5 48.1,2.7 ; 47.9,2.9 48.1,2.7 ; 47.9,2.9 48.1,3.1 ; 47.9,3.3 48.1,3.5 ; 47.9,3.3 48.1,3.1 ; 47.9,5.3 48.1,5.1 ; 47.9,5.3 48.1,5.5 ; v1@47.9,5.7 48.1,5.9 ; v1@47.9,5.7 48.1,5.5 ; 48.1,1.5 48.3,1.3 48.5,1.5 ; 48.1,1.5 48.3,1.7 ; 48.1,1.9 48.3,1.7 ; 48.1,1.9 48.3,2.1 ; 48.1,2.3 48.3,2.5 ; 48.1,2.3 48.3,2.1 ; 48.1,2.7 48.3,2.5 ; 48.1,2.7 48.3,2.9 ; 48.1,3.1 48.3,3.3 ; 48.1,3.1 48.3,2.9 ; 48.1,3.5 48.3,3.7 ; 48.1,3.5 48.3,3.3 ; 48.1,5.1 48.3,5.3 ; 48.1,5.1 48.3,4.9 ; 48.1,5.5 48.3,5.3 ; 48.1,5.5 48.3,5.7 ; 48.1,5.9 48.3,5.7 ; 48.1,5.9 48.3,6.1 48.5,5.9 ; 48.3,1.7 48.5,1.5 ; 48.3,1.7 48.5,1.9 ; 48.3,2.1 48.5,2.3 ; 48.3,2.1 48.5,1.9 ; 48.3,2.5 48.5,2.3 ; 48.3,2.5 48.5,2.7 ; 48.3,2.9 48.5,2.7 ; 48.3,2.9 48.5,3.1 ; 48.3,3.3 48.5,3.5 ; 48.3,3.3 48.5,3.1 ; 48.3,3.7 48.5,3.5 ; 48.3,3.7 48.5,3.9 ; 48.3,4.9 48.5,5.1 ; 48.3,4.9 48.5,4.7 ; 48.3,5.3 48.5,5.5 ; 48.3,5.3 48.5,5.1 ; 48.3,5.7 48.5,5.5 ; 48.3,5.7 48.5,5.9 ; 48.5,1.5 48.7,1.3 48.9,1.5 ; 48.5,1.5 48.7,1.7 ; 48.5,1.9 48.7,2.1 ; 48.5,1.9 48.7,1.7 ; 48.5,2.3 48.7,2.5 ; 48.5,2.3 48.7,2.1 ; 48.5,2.7 48.7,2.5 ; 48.5,2.7 48.7,2.9 ; 48.5,3.1 48.7,3.3 ; 48.5,3.1 48.7,2.9 ; 48.5,3.5 48.7,3.7 ; 48.5,3.5 48.7,3.3 ; 48.5,3.9 48.7,3.7 ; 48.5,3.9 48.3,4.1 48.5,4.3 ; 48.5,3.9 48.7,4.1 ; 48.5,4.3 48.7,4.5 ; 48.5,4.3 48.7,4.1 ; 48.5,4.3 48.3,4.5 48.5,4.7 ; 48.5,4.7 48.7,4.5 ; 48.5,4.7 48.7,4.9 ; 48.5,5.1 48.7,5.3 ; 48.5,5.1 48.7,4.9 ; 48.5,5.5 48.7,5.7 ; 48.5,5.5 48.7,5.3 ; 48.5,5.9 48.7,6.1 48.9,5.9 ; 48.5,5.9 48.7,5.7 ; 48.7,1.7 48.9,1.9 ; 48.7,1.7 48.9,1.5 ; 48.7,2.1 48.9,1.9 ; 48.7,2.1 48.9,2.3 ; 48.7,2.5 48.9,2.7 ; 48.7,2.5 48.9,2.3 ; 48.7,2.9 48.9,3.1 ; 48.7,2.9 48.9,2.7 ; 48.7,3.3 48.9,3.5 ; 48.7,3.3 48.9,3.1 ; 48.7,3.7 48.9,3.5 ; 48.7,3.7 48.9,3.9 ; 48.7,4.1 48.9,4.3 ; 48.7,4.1 48.9,3.9 ; 48.7,4.5 48.9,4.7 ; 48.7,4.5 48.9,4.3 ; 48.7,4.9 48.9,4.7 ; 48.7,4.9 48.9,5.1 ; 48.7,5.3 48.9,5.5 ; 48.7,5.3 48.9,5.1 ; 48.7,5.7 48.9,5.9 ; 48.7,5.7 48.9,5.5 ; 48.9,1.5 49.1,1.7 ; 48.9,1.5 49.1,1.3 49.3,1.5 ; 48.9,1.9 49.1,2.1 ; 48.9,1.9 49.1,1.7 ; 48.9,2.3 49.1,2.1 ; 48.9,2.3 49.1,2.5 ; 48.9,2.7 49.1,2.9 ; 48.9,2.7 49.1,2.5 ; 48.9,3.1 49.1,3.3 ; 48.9,3.1 49.1,2.9 ; 48.9,3.5 49.1,3.3 ; 48.9,3.5 49.1,3.7 ; 48.9,3.9 49.1,4.1 ; 48.9,3.9 49.1,3.7 ; 48.9,4.3 49.1,4.5 ; 48.9,4.3 49.1,4.1 ; 48.9,4.7 49.1,4.5 ; 48.9,4.7 49.1,4.9 ; 48.9,5.1 49.1,5.3 ; 48.9,5.1 49.1,4.9 ; 48.9,5.5 49.1,5.7 ; 48.9,5.5 49.1,5.3 ; 48.9,5.9 49.1,6.1 49.3,5.9 ; 48.9,5.9 49.1,5.7 ; 49.1,1.7 49.3,1.9 ; 49.1,1.7 49.3,1.5 ; 49.1,2.1 49.3,2.3 ; 49.1,2.1 49.3,1.9 ; 49.1,2.5 49.3,2.3 ; 49.1,2.5 49.3,2.7 ; 49.1,2.9 49.3,3.1 ; 49.1,2.9 49.3,2.7 ; 49.1,3.3 49.3,3.5 ; 49.1,3.3 49.3,3.1 ; 49.1,3.7 49.3,3.5 ; 49.1,3.7 49.3,3.9 ; 49.1,4.1 49.3,3.9 ; 49.1,4.1 49.3,4.3 ; 49.1,4.5 49.3,4.7 ; 49.1,4.5 49.3,4.3 ; 49.1,4.9 49.3,5.1 ; 49.1,4.9 49.3,4.7 ; 49.1,5.3 49.3,5.5 ; 49.1,5.3 49.3,5.1 ; 49.1,5.7 49.3,5.9 ; 49.1,5.7 49.3,5.5 ; 49.3,1.5 49.5,1.7 49.3,1.9 ; 49.3,1.9 49.5,2.1 49.3,2.3 ; 49.3,2.3 49.5,2.5 49.3,2.7 ; 49.3,2.7 49.5,2.9 49.3,3.1 ; 49.3,3.1 49.5,3.3 49.3,3.5 ; 49.3,3.5 49.5,3.7 49.3,3.9 ; 49.3,3.9 49.5,4.1 49.3,4.3 ; 49.3,4.3 49.5,4.5 49.3,4.7 ; 49.3,4.7 49.5,4.9 49.3,5.1 ; 49.3,5.1 49.5,5.3 49.3,5.5 ; 49.3,5.5 49.5,5.7 49.3,5.9
  S3 Flex copper inner 1 w0.4: v4(37.2,6) v4(37.65,6)
  S4 Flex copper inner 2 w0.4: v4(37.2,6) v4(37.65,6)
  S5 Flex copper bottom w0.5: pad.1@5,2.633 v2(5,2.65) 9.55,2.65 ccw(c9.55,3.05) 9.95,3.05 9.95,5.45 cw(c10.55,5.45) 10.55,6.05 37.529,6.05 cw(c37.529,5.879) v4(37.65,6)
  S6 Copper bottom w0.3: R16.1@36.511,5.502 36.702,5.502 ccw(c36.702,6) v4@37.147,5.777 ; v4(37.2,6) cw(c36.702,6) v4@37.147,5.777 ; R9.2@37.6,5.5 v4@37.6,5.859 ; v4@37.147,5.777 37.427,5.777 ccw(c37.427,6) v4@37.6,5.859 ; v4@37.6,5.859 ccw(c37.427,6) v4(37.65,6) ccw(c37.65,5.95) 37.6,5.95 v4@37.6,5.859
  S6 Copper bottom w0.4: R16.1@36.511,5.502 ccw(c36.479,5.103) 36.451,5.502 cw(c36.4,6.224) R16.1@36.4,5.5 R17.1@37,5.5 R9.2@37.6,5.5
  S6 Copper bottom w0.5: v4(37.2,6) v4(37.65,6)
  other v1: 40.35,1.9 41.85,1.9 43.35,1.9 44.85,1.9 46.35,1.9 47.85,1.9 40.35,2.5 41.85,2.5 43.35,2.5 44.85,2.5 46.35,2.5 47.85,2.5 40.35,5.8 41.85,5.8 43.35,5.8 44.85,5.8 46.35,5.8 47.85,5.8
  other v2: 1,2.65 2,2.65 3,2.65 4,2.65 6,2.65 7,2.65 8,2.65 9,2.65
VIN: C1.1 C2.1 C3.1 D2.2 D4.2 R1.1 R8.2 U1.A2 | length 21.2
  S1 Copper top w0.27: v7(33,0.9) R8.2@33,1.1
  S2 Flex copper top w0.25: v7(33,0.9) v1(33.1,1.2)
  S5 Flex copper bottom w0.15: v5(35.9,5.45) 37.45,5.45 cw(c37.45,5.213) 37.687,5.213 cw(c37.6,4.9) 37.753,4.613 ccw(c37.824,4.481) 37.674,4.481 37.674,4.466 cw(c37.524,4.465) 37.577,4.324 ccw(c37.6,3.9) 37.526,3.481 cw(c37.526,3.408) 37.6,3.408 v5(37.6,2.3)
  S5 Flex copper bottom w0.25: v1(33.1,1.2) v1@33.138,1.2 ; v5(33.85,1.8) v5(33.6,1.8) ccw(c33.841,1.559) 33.5,1.559 ; 34.5,0.45 cw(c34.5,1.416) 33.817,0.733 33.5,1.05 ; v1@33.138,1.2 cw(c33.138,0.688) 33.5,1.05 ; v1@33.138,1.2 33.141,1.2 ccw(c33.141,1.559) 33.5,1.559 ; 33.5,1.05 33.5,1.559
  S5 Flex copper bottom w0.3: 34.5,0.45 36.112,0.45 ccw(c36.112,1.867) 37.114,0.865 37.368,1.119 ccw(c36.808,1.679) 37.6,1.679 v5(37.6,1.8) v5(37.6,2.05) v5(37.6,2.3)
  S6 Copper bottom w0.2: R1.1@35.3,5.85 35.5,5.85 cw(c35.5,5.45) v5(35.9,5.45)
  S6 Copper bottom w0.25: C2.1@32.7,2.3 ccw(c32.7,2.15) 32.55,2.15 32.55,2 ccw(c32.75,2) 32.75,1.8 v5(33.6,1.8) v5(33.85,1.8) ; D4.2@37.05,1.1 ccw(c37.05,1.341) 37.221,1.171 D2.2@37.8,1.75 ; D2.2@37.743,1.763 ccw(c37.606,1.9) D2.2@37.8,1.899 ; C3.1@33.6,2.3 cw(c34.113,2.3) 33.75,2.662 34.067,2.98 ccw(c33.747,3.3) U1.A2@34.2,3.3 cw(c33.235,3.3) 33.917,2.617 C3.1@33.6,2.3
  S6 Copper bottom w0.45: C2.1@32.7,2.3 C3.1@33.6,2.3
  S6 Copper bottom w0.55: D2.2@37.8,1.75 37.8,1.899 C1.1@37.8,2.275
VLS: R16.2 R17.2 U1.C5 | length 2.1
  S6 Copper bottom w0.25: U1.C5@35.4,4.1 35.5,4.1 ccw(c35.5,4.45) 35.85,4.45 cw(c36.3,4.45) 36.3,4.9 R16.2@36.4,4.9
  S6 Copper bottom w0.35: R16.2@36.4,4.9 R17.2@37,4.9
XTAL32N: U2.4 X1.1 | length 3.3
  S1 Copper top w0.15: U2.4@52.588,2.6 52.729,2.6 ccw(c52.729,2.771) 52.85,2.65 cw(c53.091,2.409) 53.091,2.75 53.359,2.75 ccw(c53.359,3.091) v10(53.6,2.85)
  S6 Copper bottom w0.15: X1.1@51.75,2.25 52.122,2.622 ; 52.122,2.622 cw(c52.471,2.272) 52.471,2.767 53.399,2.767 ccw(c53.399,3.051) v10(53.6,2.85) cw(c53.49,2.96) v10@53.49,2.804
XTAL32P: U2.3 X1.3 | length 3.8
  S1 Copper top w0.15: U2.3@52.588,2.2 52.709,2.2 ccw(c52.709,2.541) 52.95,2.3 cw(c53.309,1.941) 53.309,2.449 53.714,2.449 ccw(c53.714,3.136) v10(54.2,2.65)
  S6 Copper bottom w0.15: X1.3@52.75,1.55 cw(c52.95,1.55) 52.95,1.75 53.3,1.75 ccw(c53.3,2.077) 53.627,2.077 53.627,2.103 cw(c54.047,2.103) 53.75,2.4 ; 53.75,2.4 53.894,2.544 cw(c54.15,2.288) 54.15,2.65 v10(54.2,2.65)
pads on no net: J1.6 J1.7 J1.8 J2.6 J2.7 J2.8 U1.D2 U1.D3 U1.D4 U1.E1 U1.E3 U2.8 U2.11 U2.24 U4.B5 U4.C4 U4.C5 U4.D2 U4.D4 U4.D5 U4.E3 U4.E4 U4.E5

## Polygon pours and split planes (outlines as drawn)
GND on S6 Copper bottom "GND_L06_P039" (solid, remove dead copper, pour order 39): 32.2,6.3 38.3,6.3 38.3,0.2 32.2,0.2
GND on S6 Copper bottom "NONET_L-01_P-001" (solid, remove dead copper, pour order 78): 49.3,15.9 56.8,15.9 56.8,8.1 49.3,8.1
GND on S6 Copper bottom "NONET_L-01_P-001" (solid, remove dead copper, pour order 72): 31.45,-1.6 38.75,-1.6 38.75,-9.4 31.45,-9.4
GND on S6 Copper bottom "GND_L06_P042" (solid, remove dead copper, pour order 42): 49.9,6.3 56,6.3 56,0.2 49.9,0.2
GND on S1 Copper top "GND_L01_P034" (solid, remove dead copper, pour order 34): 32.2,6.3 38.3,6.3 38.3,0.2 32.2,0.2
GND on S1 Copper top "GND_L01_P047" (solid, remove dead copper, pour order 47): 49.9,6.3 56,6.3 56,0.2 49.9,0.2
GND on S1 Copper top "NONET_L-01_P-001" (solid, remove dead copper, pour order 73): 49.3,15.9 56.8,15.9 56.8,8.1 49.3,8.1
GND on S1 Copper top "NONET_L-01_P-001" (solid, remove dead copper, pour order 67): 31.45,-1.6 38.75,-1.6 38.75,-9.4 31.45,-9.4
MOTOR- on S1 Copper top "MOTOR-_L01_P027" (solid, pour order 27): 33.486,6.076 34.388,6.075 cw(c34.388,5.939) 34.524,5.939 cw(c33.986,5.939) 33.986,5.401 33.486,5.401
GND on S2 Flex copper top "GND_L02_P035" (solid, remove dead copper, pour order 35): 32.2,6.3 38.3,6.3 38.3,0.2 32.2,0.2
GND on S2 Flex copper top "NONET_L-01_P-001" (solid, pour order 79): 61.696,1.754 62.5,1.754 62.5,0.2 55.7,0.2 55.7,1 56.888,1 cw(c56.888,0.488) 57.25,0.85 ccw(c57.867,1.467) 57.867,0.594 60.798,0.594 ccw(c60.798,0.948) 61.048,0.698 61.408,1.058 ccw(c61.142,1.324) 61.518,1.324 61.696,1.324
GND on S2 Flex copper top "GND_L02_P046" (solid, remove dead copper, pour order 46): 49.9,6.3 56,6.3 56,0.2 49.9,0.2
GND on S2 Flex copper top "NONET_L-01_P-001" (solid, remove dead copper, pour order 74): 49.3,15.9 56.8,15.9 56.8,8.1 49.3,8.1
GND on S2 Flex copper top "NONET_L-01_P-001" (solid, remove dead copper, pour order 68): 31.45,-1.6 38.75,-1.6 38.75,-9.4 31.45,-9.4
GND on S2 Flex copper top "GND_L02_P053" (solid, remove dead copper, pour order 53): 55.7,6.3 62.5,6.3 62.5,4.94 60.7,4.94 60.7,5.728 55.7,5.728
MOTOR- on S2 Flex copper top "MOTOR-_L02_P014" (solid, pour order 14): 33.398,6.1 34.154,6.1 cw(c34.154,5.631) 34.623,5.631 34.623,5.397 cw(c34.202,5.397) 34.202,4.976 33.59,4.976 cw(c33.59,5.315) 33.251,5.315 33.251,5.952 cw(c33.398,5.952) 33.398,6.1
GND on S3 Flex copper inner 1 "GND_L03_P036" (solid, remove dead copper, pour order 36): 32.2,6.3 38.3,6.3 38.3,0.2 32.2,0.2
GND on S3 Flex copper inner 1 "NONET_L-01_P-001" (solid, pour order 80): 55.7,1.74 56.97,1.74 cw(c56.97,0.92) 57.55,1.5 ccw(c58.011,1.961) 58.011,1.309 60.071,1.309 ccw(c60.071,1.732) 60.493,1.732 60.493,1.754 62.5,1.754 62.5,0.2 55.7,0.2
GND on S3 Flex copper inner 1 "NONET_L-01_P-001" (solid, remove dead copper, pour order 75): 49.3,15.9 56.8,15.9 56.8,8.1 49.3,8.1
GND on S3 Flex copper inner 1 "NONET_L-01_P-001" (solid, remove dead copper, pour order 69): 31.45,-1.6 38.75,-1.6 38.75,-9.4 31.45,-9.4
GND on S3 Flex copper inner 1 "GND_L03_P059" (solid, remove dead copper, pour order 59): 55.7,6.3 62.5,6.3 62.5,4.94 60.7,4.94 60.7,5.728 55.7,5.728
GND on S3 Flex copper inner 1 "GND_L03_P045" (solid, remove dead copper, pour order 45): 49.9,6.3 56,6.3 56,0.2 49.9,0.2
GND on S4 Flex copper inner 2 "GND_L04_P037" (solid, remove dead copper, pour order 37): 32.2,6.3 38.3,6.3 38.3,0.2 32.2,0.2
GND on S4 Flex copper inner 2 "NONET_L-01_P-001" (solid, pour order 81): 55.7,1.74 56.97,1.74 cw(c56.97,0.92) 57.55,1.5 ccw(c58.011,1.961) 58.011,1.309 60.071,1.309 ccw(c60.071,1.732) 60.493,1.732 60.493,1.754 62.5,1.754 62.5,0.2 55.7,0.2
GND on S4 Flex copper inner 2 "NONET_L-01_P-001" (solid, remove dead copper, pour order 76): 49.3,15.9 56.8,15.9 56.8,8.1 49.3,8.1
GND on S4 Flex copper inner 2 "NONET_L-01_P-001" (solid, remove dead copper, pour order 70): 31.45,-1.6 38.75,-1.6 38.75,-9.4 31.45,-9.4
GND on S4 Flex copper inner 2 "GND_L04_P058" (solid, remove dead copper, pour order 58): 55.7,6.3 62.5,6.3 62.5,4.94 60.7,4.94 60.7,5.728 55.7,5.728
GND on S4 Flex copper inner 2 "GND_L04_P043" (solid, remove dead copper, pour order 43): 49.9,6.3 56,6.3 56,0.2 49.9,0.2
GND on S5 Flex copper bottom "GND_L05_P038" (solid, remove dead copper, pour order 38): 32.2,6.3 38.3,6.3 38.3,0.2 32.2,0.2
GND on S5 Flex copper bottom "NONET_L-01_P-001" (solid, pour order 82): 55.7,1.74 56.97,1.74 cw(c56.97,0.92) 57.55,1.5 ccw(c58.011,1.961) 58.011,1.309 60.071,1.309 ccw(c60.071,1.732) 60.493,1.732 60.493,1.754 62.5,1.754 62.5,0.2 55.7,0.2
GND on S5 Flex copper bottom "GND_L05_P041" (solid, remove dead copper, pour order 41): 49.9,6.3 56,6.3 56,0.2 49.9,0.2
GND on S5 Flex copper bottom "NONET_L-01_P-001" (solid, remove dead copper, pour order 77): 49.3,15.9 56.8,15.9 56.8,8.1 49.3,8.1
GND on S5 Flex copper bottom "NONET_L-01_P-001" (solid, remove dead copper, pour order 71): 31.45,-1.6 38.75,-1.6 38.75,-9.4 31.45,-9.4
GND on S5 Flex copper bottom "GND_L05_P057" (solid, remove dead copper, pour order 57): 55.7,6.3 62.5,6.3 62.5,4.94 60.7,4.94 60.7,5.728 55.7,5.728

## Other copper
S1 Copper top:
  pour cut-out: 52.4,5.15 54.7,5.15 54.7,4.15 52.4,4.15
  pour cut-out: 50.763,3.4 52.6,3.4 52.6,1.103 50.763,1.103
  text "Layer: .Layer_name" at 0,10.564 h3
S2 Flex copper top:
  rectangle net GND: 55.7,5.728 56.7,6.298
  rectangle net GND: 55.683,0.201 56.683,1.001
  pour cut-out: 55.984,1.738 54.973,1.739 ccw(c54.973,1.408) 54.642,1.408 ccw(c55,1.408) 55,1.05 55.984,1.05
  pour cut-out: 52.4,5.15 54.7,5.15 54.7,4.15 52.4,4.15
  text "Layer: .Layer_name" at 0,10.564 h3